# Altium PCB TAUV-Regulated_Power_board.PcbDoc (part 1 of 2) (continued)
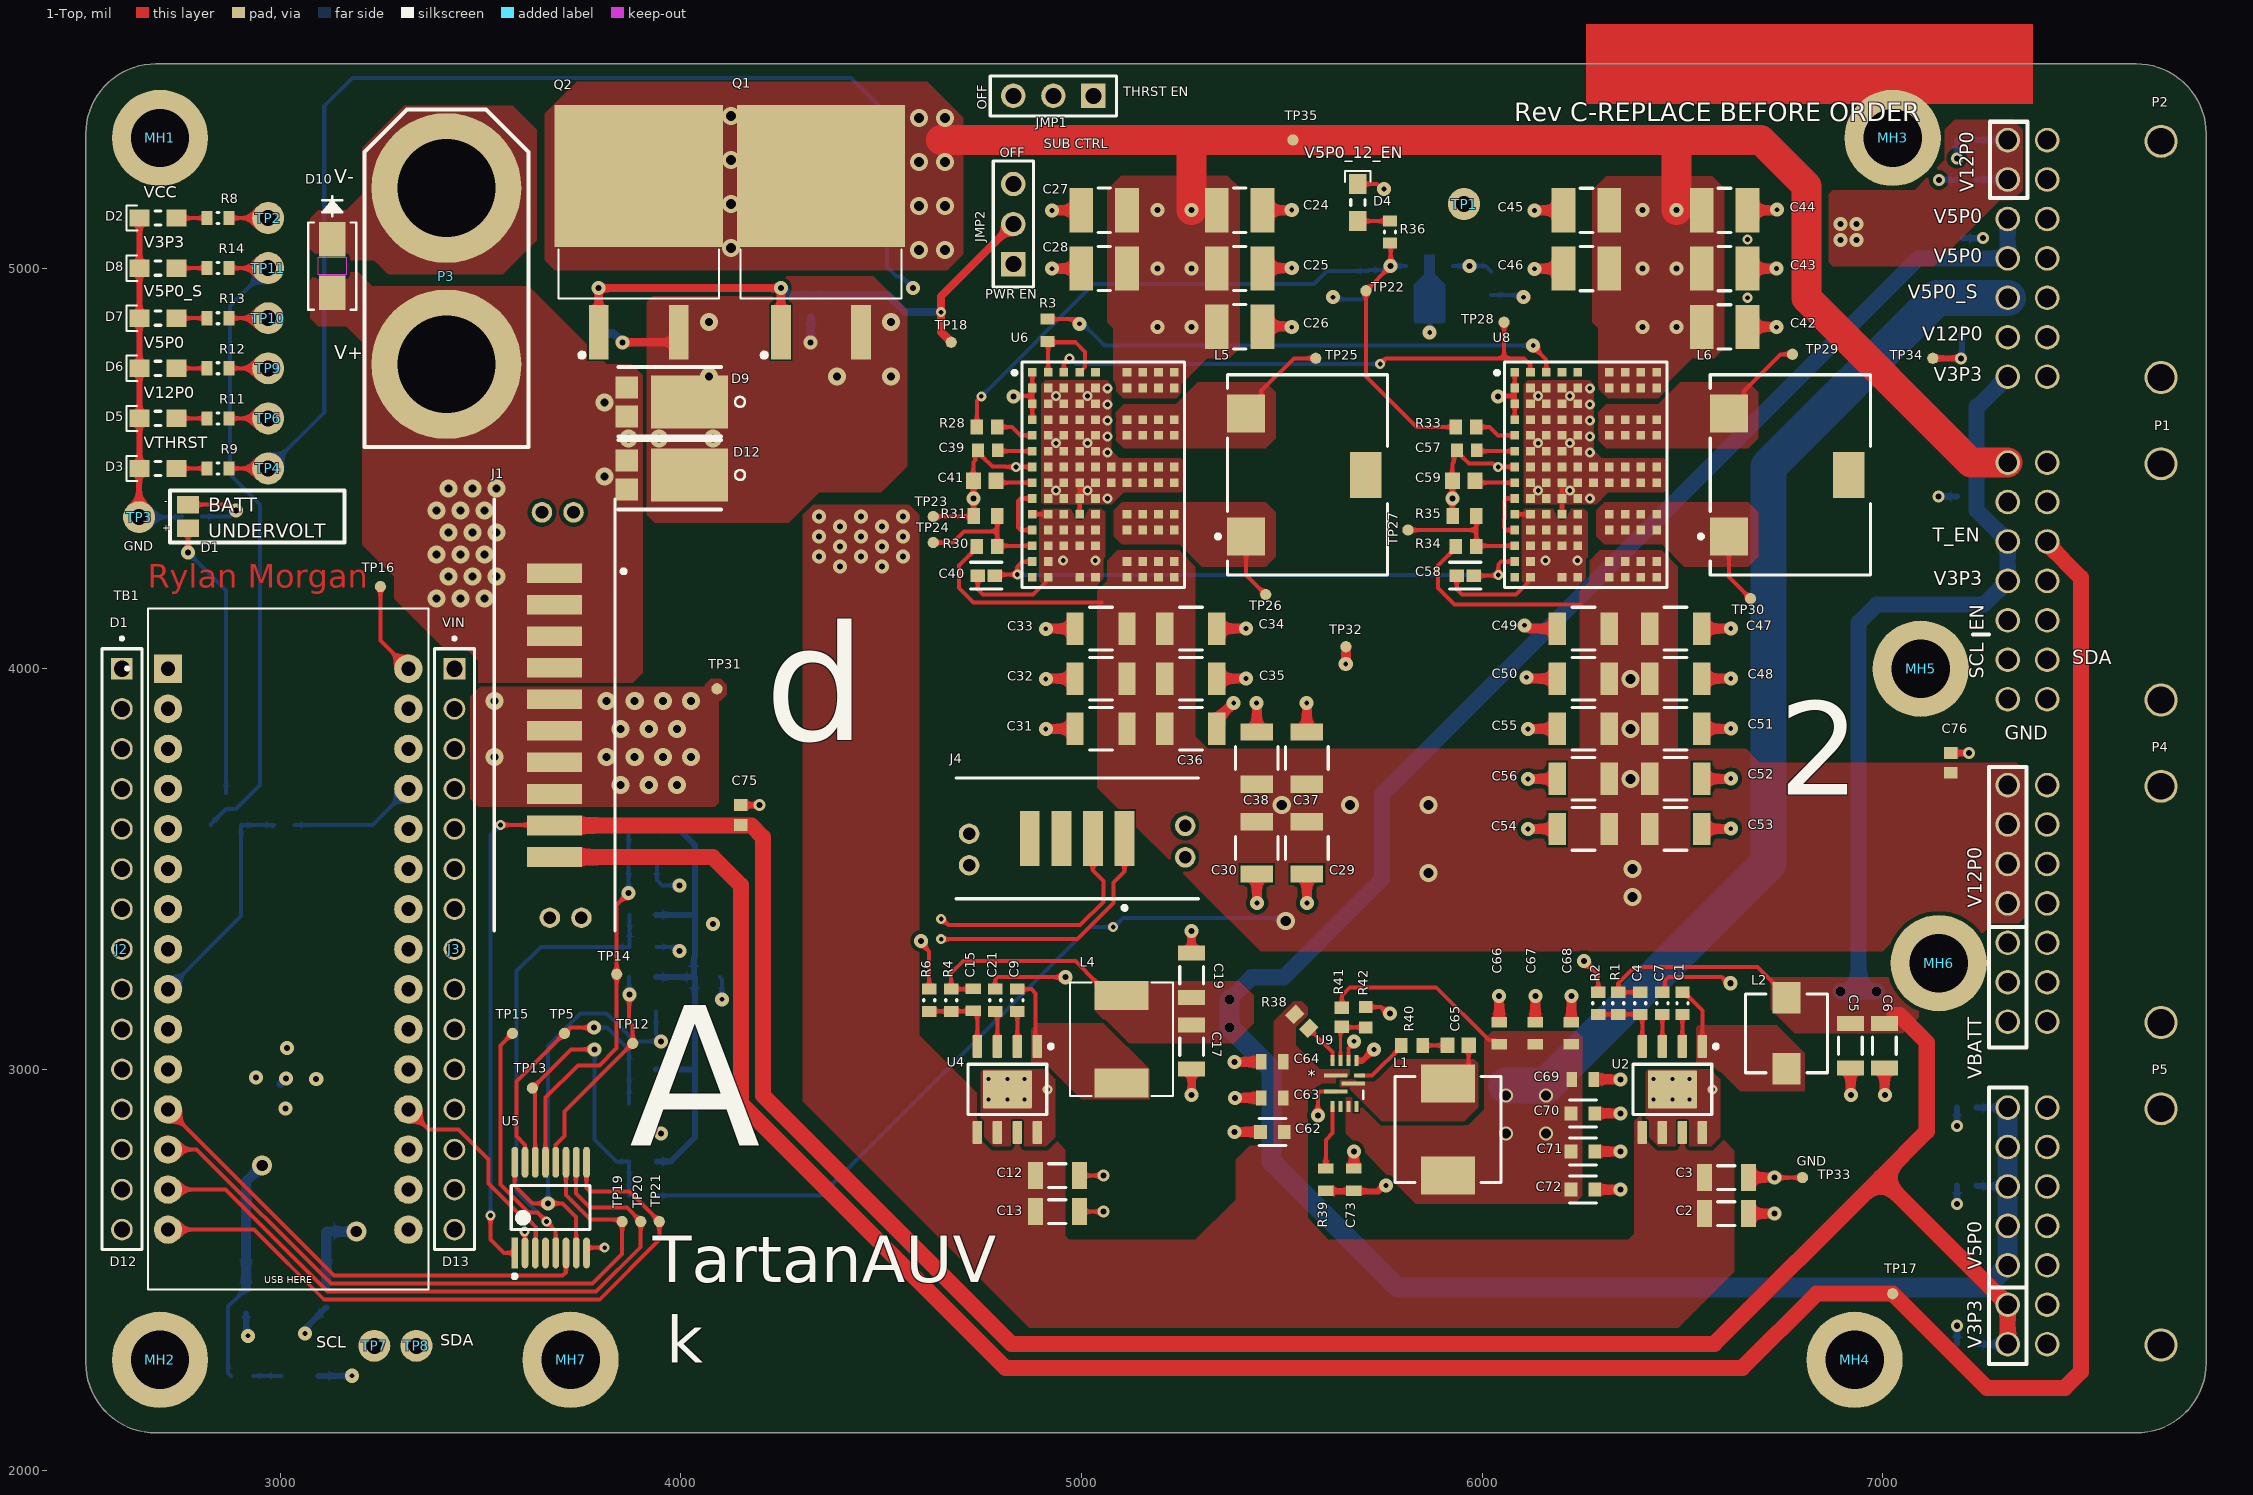
[diagram p0: 1-Top view]
## Components (designator, comment, footprint, x,y, rotation, side; value= is the part's Value field where it differs from the comment) (continued)
L1 "" FP-IHLP-2525CZ-FP_2_413x3-MFG 5915,2850 r270 top
L2 "6.8uH" "BOURNS SRP5030T" 6760,3090 r90 top
L4 "8.2µH" IND_SRP6540-8R2M 5100,3075 r90 top
L5 "420nH" FP-HCV1206-R42-R-MFG 5564.37,4483.74 r0 top
L6 "420nH" FP-HCV1206-R42-R-MFG 6769.57,4483.74 r0 top locked
MH1 "#4-40" "MOUNTING HOLE #4-40" 2700,5325 r0 top
MH2 "#4-40" "MOUNTING HOLE #4-40" 2700,2275 r0 top
MH3 "#4-40" "MOUNTING HOLE #4-40" 7025,5325 r0 top
MH4 "#4-40" "MOUNTING HOLE #4-40" 6930,2275 r0 top
MH5 "#4-40" "MOUNTING HOLE #4-40" 7095,4000 r0 top
MH6 "#4-40" "MOUNTING HOLE #4-40" 7140,3265 r0 top
MH7 "#4-40" "MOUNTING HOLE #4-40" 3725,2275 r0 top
P1 "14-Pin 2-Row Nano-Fit Right Angle" "MOLEX NANO-FIT 2X7 - RIGHT ANGLE" 7410.55,3924.07 r90 top locked
P2 "14-Pin 2-Row Nano-Fit Right Angle" "MOLEX NANO-FIT 2X7 - RIGHT ANGLE" 7410.55,4729.07 r90 top locked
P3 "XT90" XT90 3415,5200 r270 top
P4 "14-Pin 2-Row Nano-Fit Right Angle" "MOLEX NANO-FIT 2X7 - RIGHT ANGLE" 7410.55,3119.07 r90 top locked
P5 "14-Pin 2-Row Nano-Fit Right Angle" "MOLEX NANO-FIT 2X7 - RIGHT ANGLE" 7410.55,2314.07 r90 top locked
Q1 "IRF9Z34STRLPBF" TO254P1521X483-4N 4350,5090 r90 top
Q2 "IRF9Z34STRLPBF" TO254P1521X483-4N 3895,5090 r90 top
Q3 "NVTR01P02LT1G" ONSC-SOT-23-3-318-08_V 2865,3650 r90 bottom
R1 "51K 1%" RESC0603(1608)_L 6340,3165 r270 top value="51000.00 Ohm"
R2 "22K1 1%" RESC0603(1608)_L 6290,3165 r90 top value="22100.00 Ohm"
R3 "2K5" RESC1608X55X25NL10T15 4915,4845 r270 top
R4 "88K7 1%" RESC0603(1608)_L 4675,3172.56 r270 top value="88700.00 Ohm"
R6 "22K1 1%" RESC0603(1608)_L 4620,3172.56 r90 top value="22100.00 Ohm"
R7 "100R" RESC1609X50X30NL10T20 2780,4380 r180 bottom
R8 "1K2" RESC0603(1608)_L 2845,5125 r0 top value="1200.00 Ohm"
R9 "1K2" RESC0603(1608)_L 2845,4500 r0 top value="1200.00 Ohm"
R10 "470K" FP-CRCW0805-e3-IPC_C 3904.76,2915 r180 bottom
R11 "681R" RESC0603(1608)_L 2845,4625 r0 top value="681.00 Ohm"
R12 "220R" RESC0603(1608)_L 2845,4750 r0 top value="220.00 Ohm"
R13 "220R" RESC0603(1608)_L 2845,4875 r0 top value="220.00 Ohm"
R14 "100R" RESC0603(1608)_L 2845,5000 r0 top value="100.00 Ohm"
R15 "4K7" RESC0603(1608)_L 3795,4865 r90 bottom value="4700.00 Ohm"
R16 "4K7" RESC0603(1608)_L 4325,4905 r90 bottom value="4700.00 Ohm"
R17 "470K" FP-CRCW0805-e3-IPC_C 3904.76,3145 r180 bottom
R18 "470K" FP-CRCW0805-e3-IPC_C 3904.76,2685 r180 bottom
R19 "470K" FP-CRCW0805-e3-IPC_C 3904.76,3515 r180 bottom
R20 "160K" FP-CRCW0805-e3-IPC_C 3904.76,3600 r180 bottom
R21 "160K" FP-CRCW0805-e3-IPC_C 3904.76,3000 r180 bottom
R22 "160K" FP-CRCW0805-e3-IPC_C 3904.76,3230 r180 bottom
R23 "160K" FP-CRCW0805-e3-IPC_C 3904.76,2770 r180 bottom
R24 "470K" FP-CRCW0805-e3-IPC_C 3905.75,3305.88 r180 bottom
R25 "160K" FP-CRCW0805-e3-IPC_C 3905,3385.88 r180 bottom
R26 "10K" RESC1609X50X30NL8T20 3010,3610 r0 bottom
R28 "10K" RESC1609X50X30NL8T20 4764.57,4603.36 r180 top
R29 "0R" RESC2013X50X30LL20T20 4065,3230 r0 bottom
R30 "10K" RESC1609X50X30NL8T20 4764.57,4305.2 r180 top
R31 "1K65" RESC1608X55X25ML10T15 4760.63,4381.07 r0 top
R33 "10K" RESC1609X50X30NL8T20 5960.31,4603.36 r180 top
R34 "10K" RESC1609X50X30NL8T20 5960.31,4305.2 r180 top
R35 "1K65" RESC1608X55X25ML10T15 5956.37,4381.07 r0 top
R36 "220R" RESC0603(1608)_L 5770,5090 r270 top value="220.00 Ohm"
R37 "681R" RESC0603(1608)_L 2905,2235 r180 bottom value="681.00 Ohm"
R38 "1M5" RESC1609X50X30NL10T20 5550,3120 r315 top
R39 "100K" 0603 5610,2725 r270 top
R40 "3R3" RESC1608X55X30NL15T15 5825,3060 r0 top
R41 "41K2" RESC1608X55X30LL20T20 5650,3130 r270 top
R42 "5K6" RESC1609X55X30LL15T15 5709.87,3130 r90 top
TB1 "ARDUINO_NANO" SHIELD_ARDUINO_NANO 3020,3300 r0 top locked
TP1 "Test Point Loop" "Test Point Loop - Black" 5955,5160 r0 top
TP2 "Test Point Loop" "Test Point Loop - Black" 2970,5125 r0 top locked
TP3 "Test Point Loop" "Test Point Loop - Black" 2647.78,4378.33 r0 top
TP4 "Test Point Loop" "Test Point Loop - Black" 2970,4500 r0 top locked
TP5 "" "Test Point Pad" 3709.7,3090 r90 top
TP6 "Test Point Loop" "Test Point Loop - Black" 2970,4625 r0 top locked
TP7 "Test Point Loop" "Test Point Loop - Black" 3235,2310 r0 top
TP8 "Test Point Loop" "Test Point Loop - Black" 3340,2310 r0 top
TP9 "Test Point Loop" "Test Point Loop - Black" 2970,4750 r0 top locked
TP10 "Test Point Loop" "Test Point Loop - Black" 2970,4875 r180 top locked
TP11 "Test Point Loop" "Test Point Loop - Black" 2970,5000 r180 top locked
TP12 "" "Test Point Pad" 3880,3065 r90 top
TP13 "" "Test Point Pad" 3629.41,2953.14 r90 top
TP14 "" "Test Point Pad" 3840,3237.5 r90 top
TP15 "" "Test Point Pad" 3580,3090 r90 top
TP16 "" "Test Point Pad" 3250,4205 r90 top
TP17 "" "Test Point Pad" 7025,2440 r90 top
TP18 "" "Test Point Pad" 4675,4815 r90 top
TP19 "" "Test Point Pad" 3853.65,2620 r90 top
TP20 "" "Test Point Pad" 3900,2620 r90 top
TP21 "" "Test Point Pad" 3946.35,2620 r90 top
TP22 "" "Test Point Pad" 5710,4943.5 r90 top
TP23 "" "Test Point Pad" 4630,4380 r90 top
TP24 "" "Test Point Pad" 4630,4315 r90 top
TP25 "" "Test Point Pad" 5585,4775 r90 top
TP26 "" "Test Point Pad" 5460,4185 r90 top
TP27 "" "Test Point Pad" 5815,4346.26 r90 top
TP28 "" "Test Point Pad" 6055,4865 r90 top
TP29 "" "Test Point Pad" 6775,4785 r90 top
TP30 "" "Test Point Pad" 6670,4175 r90 top
TP31 "" "Test Point Pad" 4090,3950 r90 top
TP32 "" "Test Point Pad" 5660,4055 r90 top
TP33 "" "Test Point Pad" 6800,2730 r90 top
TP34 "" "Test Point Pad" 7125,4775 r90 top
TP35 "" "Test Point Pad" 5527.94,5320 r90 top
U1 "L7812ABD2T-TR" TO-263_L 3015,2840 r90 bottom
U2 "LMR23630-Q1" DDA0008E_N 6475,2950 r270 top
U4 "LMR23630-Q1" DDA0008E_N 4815,2950 r270 top
U5 "74HC4051PW,118" FP-SOT403-1-IPC_A 3675,2655 r90 top
U6 "PI3740-00-LGIZ" FP-PI3740-00-LGIZ-MFG 5054.69,4484.06 r270 top locked
U7 "L78L05ACUTR" FP-SOT-89-7098166-MFG 5872.68,4947.48 r0 bottom
U8 "PI3740-00-LGIZ" FP-PI3740-00-LGIZ-MFG 6258.62,4484.06 r270 top locked
U9 "MP8756GD-P" QFN-12_MP8756_MNP 5656.65,2964.68 r0 top

## Footprints (in the part's own frame and the unit in brackets; to place one, negate y for a bottom-side part, rotate by r counter-clockwise, add the part's x,y. Pads: shape width x height; smd on the part's side, far side on the other; paste and mask are expansions set on the pad)
0603 [mil]
  rect 26x38 smd: 1(-27.5,0) 2(27.5,0)
  body extent 0,0 10,10, height 10
"BOURNS SRP5030T" [mm] "Precision Wire Wound Inductor, 2-Leads, Body 5.70x5.20mm, IPC Medium Density"
  rect 2x1.8 smd: 1(-2.25,0) 2(2.25,0)
  silkscreen extent -2.5,-2.6 2.5,2.6, body extent -2.85,-2.6 2.85,2.6, height 3
C0805 [mm] "Chip Capacitor, Body 2.0x1.3mm, IPC High Density"
  rect 1.1x1.4 smd: 1(-0.75,0) 2(0.75,0)
  body extent -1.1,-0.72 1.1,0.72, height 1.4
CAPC0603(1608)100_L [mm] "Chip Capacitor, Body 1.6x0.8mm, Height 1.0mm, IPC High Density"
  rect 0.7x0.9 smd: 1(-0.7,0) 2(0.7,0)
  silkscreen extent -0.05,-0.35 0.05,0.35, body extent -0.87,-0.47 0.88,0.48, height 1
CAPC1206(3216)190_L [mm] "Chip Capacitor, Body 3.2x1.6mm, Height 1.9mm, IPC High Density"
  rect 0.95x1.7 smd: 1(-1.4,0) 2(1.4,0)
  silkscreen extent -0.55,-0.75 0.55,0.75, body extent -1.7,-0.9 1.7,0.9, height 1.9
CAPC1608X87X35NL15T15 [mm] "Chip Capacitor, 2-Leads, Body 1.60x0.80mm, IPC Medium Density"
  rect 0.9x1 smd: 1(-0.675,0) 2(0.675,0)
  body extent -0.87,-0.48 0.87,0.47, height 0.87
CAPC1608X90X35LL10T15 [mm] "Chip Capacitor, 2-Leads, Body 1.60x0.80mm, IPC High Density"
  rect 0.75x0.85 smd: 1(-0.625,0) 2(0.625,0)
  body extent -0.85,-0.45 0.85,0.45, height 0.9
CAPC1608X90X35ML10T15 [mm] "Chip Capacitor, 2-Leads, Body 1.60x0.80mm, IPC Low Density"
  rect 0.95x1.05 smd: 1(-0.725,0) 2(0.725,0)
  body extent -0.85,-0.45 0.85,0.45, height 0.9
DDA0008E_N [mm] "SOP, 8-Leads, Body 4x5mm, Pitch 1.27mm, Thermal Pad 2.4x3.1mm, IPC Medium Density"
  rrect17% 1.45x0.6 smd: 1(-2.725,1.905) 2(-2.725,0.635) 3(-2.725,-0.635) 4(-2.725,-1.905) 5(2.725,-1.905) 6(2.725,-0.635) 7(2.725,0.635) 8(2.725,1.905)
  rrect4% 2.4x3.1 smd: 9(0,0)
  silkscreen extent -2.85,-2.5 1.6,2.88, body extent -2.98,-2.45 2.98,2.45, height 1.5
FP-1210-L_3_3_0_4-W_2_5_0-IPC_B [mil]
  rect 59.16x110.4 smd paste+0 mask+0: 1(-57.09,0) 2(57.09,0)
  silkscreen extent -16,-55 16,55, body extent -97,-65 97,65, height 10
FP-C1608-080-0_1-IPC_A [mil]
  rect 52.4x39.85 smd paste+0 mask+0: 1(-29.15,0) 2(29.15,0)
  silkscreen extent -55,-36 55,36, body extent -31,-16 31,16, height 35
FP-C1608-080-0_1-IPC_C [mil]
  rect 36.66x31.97 smd paste+0 mask+0: 1(-21.28,0) 2(21.28,0)
  silkscreen extent -40,-33 40,33, body extent -44,-22 44,22, height 10
FP-CC0603-DA-MFG [mm]
  rect 0.8x0.9 smd paste+0 mask+0: 1(-0.75,0) 2(0.75,0)
  silkscreen extent -0.85,-0.85 0.85,0.85, body extent -1.35,-0.75 1.35,0.75, height 0.25
FP-CRCW0805-e3-IPC_C [mil]
  rect 31.75x51.5 smd paste+0 mask+0: 1(-33.5,0) 2(33.5,0)
  silkscreen extent -3,-25 3,25, body extent -39,-25 39,25, height 20
FP-GRM32-MFG [mm]
  rect 1.1x2.05 smd paste+0 mask+0: 1(-1.65,0) 2(1.65,0)
  silkscreen extent -0.72,-1.35 0.72,1.35, body extent -2.3,-1.45 2.3,1.45, height 0.25
FP-HCV1206-R42-R-MFG [mm]
  rect 2.4x2.4 smd paste+0 mask+0: 1(-3.9,-3.9) 2(-3.9,3.9)
  rect 2x2.9 smd paste+0 mask+0: 3(3.7,0)
  silkscreen extent -5.8,-6.35 5.07,6.35, body extent -5.2,-6.45 5.18,6.45, height 0.25
FP-IHLP-2525CZ-FP_2_413x3-MFG [mil]
  rect 95x135 smd paste+0 mask+0: 1(-115,0) 2(115,0)
  silkscreen extent -132,-132 132,132, body extent -166,-136 166,136, height 10
FP-PI3740-00-LGIZ-MFG [mm]
  rect 0.55x0.55 smd paste+0 mask+0: A1(-6.5,-4.5) A2(-5.5,-4.5) A3(-4.5,-4.5) A4(-3.5,-4.5) A5(-2.5,-4.5) A6(-1.5,-4.5) A7(-0.5,-4.5) A8(0.5,-4.5) A9(1.5,-4.5) A10(2.5,-4.5) A11(3.5,-4.5) A12(4.5,-4.5) A13(5.5,-4.5) A14(6.5,-4.5) B1(-6.5,-3.5) B2(-5.5,-3.5) B3(-4.5,-3.5) B4(-3.5,-3.5) B5(-2.5,-3.5) B6(-1.5,-3.5) B7(-0.5,-3.5) B8(0.5,-3.5) B9(1.5,-3.5) B10(2.5,-3.5) B11(3.5,-3.5) B12(4.5,-3.5) B13(5.5,-3.5) B14(6.5,-3.5) C1(-6.5,-2.5) C2(-5.5,-2.5) C3(-4.5,-2.5) C4(-3.5,-2.5) C5(-2.5,-2.5) C6(-1.5,-2.5) C7(-0.5,-2.5) C8(0.5,-2.5) C9(1.5,-2.5) C10(2.5,-2.5) C11(3.5,-2.5) C12(4.5,-2.5) D1(-6.5,-1.5) D2(-5.5,-1.5) D3(-4.5,-1.5) D4(-3.5,-1.5) D5(-2.5,-1.5) D6(-1.5,-1.5) D7(-0.5,-1.5) D8(0.5,-1.5) D9(1.5,-1.5) D10(2.5,-1.5) D11(3.5,-1.5) D12(4.5,-1.5) D14(6.5,-1.5) E1(-6.5,-0.5) E2(-5.5,-0.5) E3(-4.5,-0.5) E4(-3.5,-0.5) E5(-2.5,-0.5) E6(-1.5,-0.5) E7(-0.5,-0.5) E8(0.5,-0.5) E9(1.5,-0.5) E10(2.5,-0.5) E11(3.5,-0.5) E12(4.5,-0.5) E14(6.5,-0.5) F7(-0.5,0.5) F8(0.5,0.5) G1(-6.5,1.5) G2(-5.5,1.5) G4(-3.5,1.5) G5(-2.5,1.5) G7(-0.5,1.5) G8(0.5,1.5) G10(2.5,1.5) G11(3.5,1.5) G13(5.5,1.5) G14(6.5,1.5) H1(-6.5,2.5) H2(-5.5,2.5) H4(-3.5,2.5) H5(-2.5,2.5) H7(-0.5,2.5) H8(0.5,2.5) H10(2.5,2.5) H11(3.5,2.5) H13(5.5,2.5) H14(6.5,2.5) J1(-6.5,3.5) J2(-5.5,3.5) J4(-3.5,3.5) J5(-2.5,3.5) J7(-0.5,3.5) J8(0.5,3.5) J10(2.5,3.5) J11(3.5,3.5) J13(5.5,3.5) J14(6.5,3.5) K1(-6.5,4.5) K2(-5.5,4.5) K4(-3.5,4.5) K5(-2.5,4.5) K7(-0.5,4.5) K8(0.5,4.5) K10(2.5,4.5) K11(3.5,4.5) K13(5.5,4.5) K14(6.5,4.5)
  silkscreen extent -7.15,-5.75 7.15,5.15, body extent -7.55,-5.55 7.55,5.55, height 0.25
FP-SOT403-1-IPC_A [mm]
  rect 1.955x0.421 smd paste+0 mask+0: 1(-2.875,2.275)
  rrect100% 1.955x0.421 smd paste+0 mask+0: 2(-2.875,1.625) 3(-2.875,0.975) 4(-2.875,0.325) 5(-2.875,-0.325) 6(-2.875,-0.975) 7(-2.875,-1.625) 8(-2.875,-2.275) 9(2.875,-2.275) 10(2.875,-1.625) 11(2.875,-0.975) 12(2.875,-0.325) 13(2.875,0.325) 14(2.875,0.975) 15(2.875,1.625) 16(2.875,2.275)
  silkscreen extent -4.48,-2.5 1.4,2.5, body extent -4.35,-3 4.35,3, height 0.25
FP-SOT-89-7098166-MFG [mm]
  rect 0.57x1.4 smd paste+0 mask+0: 1(-1.6,-1.475) 3(1.4,-1.475)
  round 1.8 smd paste+0 mask+0: 2(-0.1,0.825)
  1-Top region: -1.1,1.975 -1.1,-0.275 -0.425,-0.95 -0.425,-2.175 0.225,-2.175 0.225,-0.95 0.9,-0.275 0.9,1.975 0.873,2.075 0.8,2.148 0.7,2.175 0.7,2.175 -0.9,2.175 -1,2.148 -1.073,2.075 -1.1,1.975
  silkscreen extent -2.4,-1.3 2.2,1.3, body extent -1.3,-2.3 1.3,2.3, height 1.6
FP-UMPT-04-01_5-L-V-S-W-T-MFG [mm]
  rect 1.25x3.5 smd paste+0 mask+0: 1(3,0) 2(1,0) 3(-1,0) 4(-3,0)
  round 1.3 hole 0.8 paste-1000 mask+0: 5(6.85,0.8) 6(-6.85,0.3) 7(6.85,-1.2) 8(-6.85,-1.7)
  silkscreen extent -7.69,-4.52 7.69,3.83, body extent -7.79,-3.93 7.79,3.93, height 0.25
FP-UMPT-10-01_5-L-V-S-W-T-MFG [mm]
  rect 1.25x3.5 smd paste+0 mask+0: 1(9,0) 2(7,0) 3(5,0) 4(3,0) 5(1,0) 6(-1,0) 7(-3,0) 8(-5,0) 9(-7,0) 10(-9,0)
  round 1.3 hole 0.8 paste-1000 mask+0: 11(-12.85,0.3) 12(12.85,0.8) 13(-12.85,-1.7) 14(12.85,-1.2)
  silkscreen extent -13.69,-4.5 13.69,3.83, body extent -14.17,-3.93 14.18,3.92, height 0.25
IND_SRP6540-8R2M [mm]
  rect 1.85x3.4 smd: 1(-2.775,0) 2(2.775,0)
  silkscreen extent -3.6,-3.25 3.6,3.25
LED_0805 [mm] "Liteon 0805 Chip LED"
  rect 1.25x1.1 smd: 1(-1.175,0) 2(1.175,0)
  silkscreen extent -2.01,-0.8 0.2,0.8, body extent -1,-0.63 1,0.63, height 0.8
"MOLEX NANO-FIT 2X7 - RIGHT ANGLE" [mm]
  round 1.56 hole 1.2: 1(15,2.5) 2(12.5,2.5) 3(10,2.5) 4(7.5,2.5) 5(5,2.5) 6(2.5,2.5) 7(0,2.5) 8(15,0) 9(12.5,0) 10(10,0) 11(7.5,0) 12(5,0) 13(2.5,0) 14(0,0)
  round 2.1 hole 1.7: ""(-0.05,-7.225) ""(14.925,-7.225)
  body extent -2.68,-26.05 17.53,2.78, height 10.21
"MOUNTING HOLE #4-40" [mm] "Mounting Hole for ANSI #4-40 w/ Flat Washer, Loose Fit"
  round 6.1 hole 3.7: 0(0,0)
ONSC-SOT-23-3-318-08_V [mm] "SOT23, 3-Leads, Body 2.92x1.3mm, Pitch 0.95mm"
  rect 0.9x0.8 smd: 1(-1,0.95) 2(-1,-0.95) 3(1,0)
  silkscreen extent -1.12,-1.46 0.65,2.03, body extent -0.65,-1.46 0.65,1.46, height 1.11
QFN-12_MP8756_MNP [mm]
  rect 1.5x0.25 smd paste+0 mask+0: 1(-0.55,0.5) 2(-0.55,-0.5) 7(0.55,0)
  rect 0.25x0.7 smd paste+0 mask+0: 3(-0.75,-1.45) 4(-0.25,-1.45) 5(0.25,-1.45) 6(0.75,-1.45) 9(0.75,1.45) 10(0.25,1.45) 11(-0.25,1.45) 12(-0.75,1.45)
  rect 0.7x0.25 smd paste+0 mask+0: 8(0.95,0.5)
  silkscreen extent 1.18,-0.97 1.18,-0.46
RESC0603(1608)_L [mm] "Chip Resistor, Body 1.6x0.8mm, IPC High Density"
  rect 0.7x0.9 smd: 1(-0.7,0) 2(0.7,0)
  silkscreen extent -0.05,-0.35 0.05,0.35, body extent -0.85,-0.47 0.85,0.47, height 0.6
RESC1608X55X25ML10T15 [mm] "Chip Resistor, 2-Leads, Body 1.60x0.80mm, IPC Low Density"
  rect 0.8x1 smd: 1(-0.75,0) 2(0.75,0)
  body extent -0.85,-0.45 0.85,0.45, height 0.55
RESC1608X55X25NL10T15 [mm] "Chip Resistor, 2-Leads, Body 1.60x0.80mm, IPC Medium Density"
  rect 0.7x0.9 smd: 1(-0.7,0) 2(0.7,0)
  body extent -0.85,-0.45 0.85,0.45, height 0.55
RESC1608X55X30LL20T20 [mm] "Chip Resistor, 2-Leads, Body 1.60x0.80mm, IPC High Density"
  rect 0.8x0.9 smd: 1(-0.6,0) 2(0.6,0)
  body extent -0.9,-0.5 0.9,0.5, height 0.55
RESC1608X55X30NL15T15 [mm] "Chip Resistor, 2-Leads, Body 1.60x0.80mm, IPC Medium Density"
  rect 0.8x0.95 smd: 1(-0.675,0) 2(0.675,0)
  body extent -0.87,-0.48 0.87,0.48, height 0.55
RESC1609X50X30NL8T20 [mm] "Chip Resistor, 2-Leads, Body 1.65x0.95mm, IPC Medium Density"
  rect 0.8x0.95 smd: 1(-0.65,0) 2(0.65,0)
  body extent -0.82,-0.48 0.82,0.48, height 0.5
RESC1609X50X30NL10T20 [mm] "Chip Resistor, 2-Leads, Body 1.55x0.85mm, IPC Medium Density"
  rect 0.8x0.95 smd: 1(-0.625,0) 2(0.625,0)
  body extent -0.82,-0.48 0.82,0.48, height 0.5
RESC1609X55X30LL15T15 [mm] "Chip Resistor, 2-Leads, Body 1.75x0.95mm, IPC High Density"
  rect 0.75x0.85 smd: 1(-0.65,0) 2(0.65,0)
  body extent -0.87,-0.48 0.87,0.48, height 0.55
RESC2013X50X30LL20T20 [mm] "Chip Resistor, 2-Leads, Body 2.00x1.25mm, IPC High Density"
  rect 0.85x1.35 smd: 1(-0.825,0) 2(0.825,0)
  silkscreen extent -0.1,-0.58 0.1,0.58, body extent -1.1,-0.72 1.1,0.72, height 0.5
SAMTEC_TSW-115-05-G-S [mm]
  rect 1.37x1.37 hole 1.02: 01(0,0)
  round 1.37 hole 1.02: 02(2.54,0) 03(5.08,0) 04(7.62,0) 05(10.16,0) 06(12.7,0) 07(15.24,0) 08(17.78,0) 09(20.32,0) 10(22.86,0) 11(25.4,0) 12(27.94,0) 13(30.48,0) 14(33.02,0) 15(35.56,0)
  silkscreen extent -2.02,-1.27 36.83,1.27
SBRT15U50SP5-13 [mm]
  rect 1.39x1.4 smd: 1(-0.92,-3.982) 1(0.92,-3.982)
  rect 3.36x4.86 smd: 2(0,0)
  silkscreen extent -2.2,-4.5 2.2,3.52, body extent -2,-4.6 2,2.4, height 1.05
SHIELD_ARDUINO_NANO [mm]
  rect 1.8x1.8 / inner round 1.8 / far side rect 1.8x1.8 hole 0.9: 1(-7.62,17.78)
  round 1.8 hole 0.9: 2(-7.62,15.24) 3(-7.62,12.7) 4(-7.62,10.16) 5(-7.62,7.62) 6(-7.62,5.08) 7(-7.62,2.54) 8(-7.62,0) 9(-7.62,-2.54) 10(-7.62,-5.08) 11(-7.62,-7.62) 12(-7.62,-10.16) 13(-7.62,-12.7) 14(-7.62,-15.24) 15(-7.62,-17.78) 16(7.62,-17.78) 17(7.62,-15.24) 18(7.62,-12.7) 19(7.62,-10.16) 20(7.62,-7.62) 21(7.62,-5.08) 22(7.62,-2.54) 23(7.62,0) 24(7.62,2.54) 25(7.62,5.08) 26(7.62,7.62) 27(7.62,10.16) 28(7.62,12.7) 29(7.62,15.24) 30(7.62,17.78)
  silkscreen extent -10.3,-21.59 8.89,21.59, body extent -9,-23.4 9,21.6, height 12.6
SMASERIES_LTF [mil]
  rect 86x65 smd paste+0 mask+0: 1(-67,0) 2(67,0)
  1-Top keep-out region: -22,-34.5 -22,34.5 22,34.5 22,-34.5
  Keep-Out Layer region: -22,-34.5 -22,34.5 22,34.5 22,-34.5
  silkscreen extent -174,-60 109,60, body extent -104,-55 104,55, height 92
SMTC-TSW-103-07-X-S [mm] ".025 SQ Post Terminal Strip Assembly, 1x3 Pins, Vertical, 2.54mm Pitch, Male"
  rect 1.55x1.55 hole 1.02: 1(0,0)
  round 1.55 hole 1.02: 2(2.54,0) 3(5.08,0)
  silkscreen extent -1.46,-1.27 6.54,1.27, body extent -1.27,-1.27 6.35,1.27, height 8.38
"Test Point Loop - Black" [mil] ", black"
  round 80 hole 40: 1(0,0)
  body extent -50,-50 50,50, height 180
"Test Point Pad" [mil] "Test Point, Pad, 28mil"
  round 28 smd: 1(0,0)
TO254P1521X483-4N [mil]
  rect 135x49.49 smd: 1(-250,100) 3(-250,-100)
  rect 355x420 smd: 4(140,0)
  silkscreen extent -316,-201 -43,201
TO-263_L [mm] "D2-PAK, 4-Leads, Body 9.2x10.2mm, Pitch 2.54mm, Lead Span 15.4mm, IPC High Density"
  rect 3.5x0.95 smd: 1(-6.25,2.54) 3(-6.25,-2.54)
  rect 9x10.35 smd: 4(3.5,0)
  silkscreen extent -6.37,-5.2 -1.4,5.2, body extent -3,-5.2 6.35,5.2, height 4.6
XT90 [mm]
  round 9.5 hole 6.2: 1(0,0) 2(11.176,0)
  silkscreen extent -4.99,-5.21 16.41,5.21, body extent -4.99,-5.5 16.41,5.5, height 20.7

## Part data
C1 C9 C23 C61: library part "100nF 0603", "CAP 100nF 100V ±10% 0603 (1608 Metric) Thickness 1mm SMD", Case-EIA=0603, Case-Metric=1608, Rated Voltage="100 V", Tolerance=Â±10%, ComponentLink1Description=Link, ComponentLink1URL=https://www.digikey.com/en/products/detail/samsung-electro-mechanics/CL10B104KC8NNNC/5961291, Max Thickness="1 mm", Technology=SMT
C2 C3 C5 C12 C13 C17: library part "4.7uF 1206", "CAP 4.7uF 35V ±10% 1206 (3216 Metric) Thickness 1.9mm SMD", Case-EIA=1206, Case-Metric=3216, Rated Voltage="35 V", Tolerance=Â±10%, ComponentLink1Description=Link, ComponentLink1URL=https://www.digikey.com/en/products/detail/samsung-electro-mechanics/CL31B475KBHNFNE/3888837, Max Thickness="1.9 mm", Technology=SMT
C4: library part "75pF 0603", "CAP 75pF 25V ±1% 0603 (1608 Metric) Thickness 1mm SMD", Case-EIA=0603, Case-Metric=1608, Rated Voltage="25 V", Tolerance=Â±1%, ComponentLink1Description=Link, ComponentLink1URL=https://www.digikey.com/en/products/detail/yageo/CC0603FRNPO9BN750/5883517, Max Thickness="1 mm", Technology=SMT
C6 C19: library part "47uF 1206", "CAP 47uF 16V ±20% 1206 (3216 Metric) Thickness 1.9mm SMD", Case-EIA=1206, Case-Metric=3216, Rated Voltage="16 V", Tolerance=Â±20%, ComponentLink1Description=Link, ComponentLink1URL=https://www.digikey.com/en/products/detail/taiyo-yuden/EMK316BBJ476ML-T/7067010, Max Thickness="1.9 mm", Technology=SMT
C7 C21 C73: library part "1uF 0603", "CAP 1uF 25V ±10% 0603 (1608 Metric) Thickness 1mm SMD", Case-EIA=0603, Case-Metric=1608, Rated Voltage="25 V", Tolerance=Â±10%, ComponentLink1Description=Link, ComponentLink1URL=https://www.digikey.com/en/products/detail/samsung-electro-mechanics/CL10B105KA8NNNC/3886842, Max Thickness="1 mm", Technology=SMT
C8 C10 C11 C14 C20 C39 C57 C74 C75 C76 C77 C78: library part "47nF 0603", "47nF 0603", Manufacturer=Murata, Part Number=GRM188R71E473KA01D, ComponentLink1Description=Link, ComponentLink1URL=https://www.digikey.com/en/products/detail/kemet/C0603X473J4RECAUTO7411/8654446
C15: library part "30pF 0603", "CAP 30pF 50V ±10% 0603 (1608 Metric) Thickness 1mm SMD", Case-EIA=0603, Case-Metric=1608, Rated Voltage="50 V", Tolerance=Â±10%, ComponentLink1Description=Link, ComponentLink1URL=https://www.digikey.com/en/products/detail/stackpole-electronics-inc/CML0603C0G300JT50V/10659967, Max Thickness="1 mm", Technology=SMT
C22 C60: library part "330nF 0603", "Multilayer Ceramic Capacitors 330nF ±10% 50V X7R SMD 0603", Case Code (Imperial)=0603, Case Code (Metric)=1608, Dielectric=X7R, Dielectric Material=Ceramic, Max Operating Temperature=125°C, Min Operating Temperature=-55°C, Package Quantity=1, Tolerance=10%, VOLTAGE=50V, Capacitance=330nF, Case/Package=0603, ComponentLink1Description=Link, ComponentLink1URL=https://www.digikey.com/en/products/detail/tdk-corporation/C1608X7R1H334K080AC/2443428, Construction=Flat, Depth=0.8mm, Height=0.8mm, Lead Free="Lead Free", Length=1.6mm, Mount="Surface Mount", Packaging="Tape and Reel", REACH SVHC="No SVHC", Resistor Type=Ceramic, RoHS Compliant=Yes, Series=C, Termination=SMD/SMT, Thickness=0.037inch, Voltage Rating=50V, Voltage Rating (DC)=50V, Weight=7.1E-05oz, Width=0.031inch
C24 C25 C26 C27 C28 C42 C43 C44 C45 C46: library part "2.2uF 1210", "General Purpose Ceramic Capacitor, 1210, 2.2uF, 10%, X7R, 15%, 100V", Case Code (Imperial)=1210, Case Code (Metric)=3225, Dielectric=X7R, Max Operating Temperature=125°C, Min Operating Temperature=-55°C, Package Quantity=1, Tolerance=10%, VOLTAGE=100V, Capacitance=2.2uF, Case/Package=1210, ComponentLink1Description=Link, ComponentLink1URL=https://www.digikey.com/en/products/detail/samsung-electro-mechanics/CL32B225KCJSNNE/3889020, Construction=Flat, Contact Plating=Tin, Depth=2.5mm, Dissipation Factor=2.5%, Height=2.79mm, Lead Free="Lead Free", Length=3.2mm, Mount="Surface Mount", Number of Pins=2, Packaging="Tape and Reel", Radiation Hardening=No, REACH SVHC="No SVHC", RoHS Compliant=Yes, Series=-, Termination=SMD/SMT, Thickness=0.11inch, Voltage Rating=100V, Voltage Rating (DC)=100V, Width=2.5mm